# KiCad board 1x4.kicad_pcb
title: Macro Keyboard 1x4; date: 2025-01-22; rev: 0.2
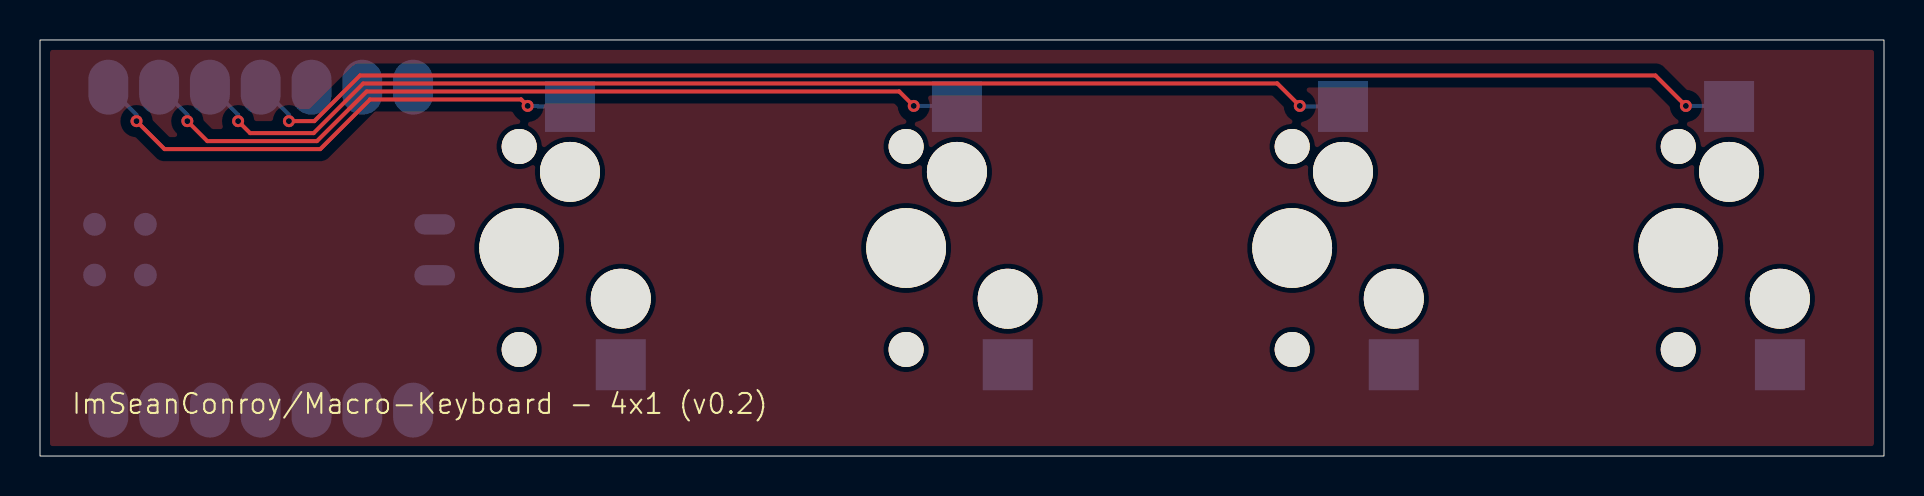
[diagram p0: board, top side]
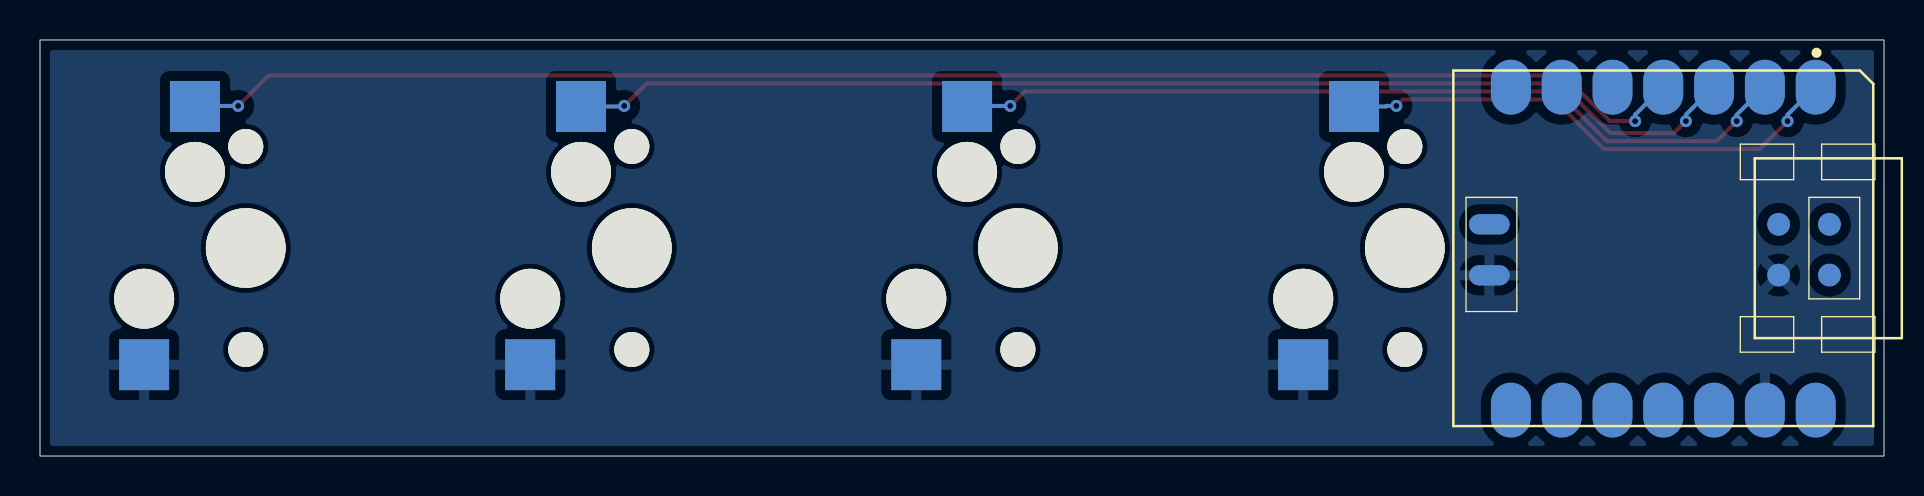
[diagram p1: board, bottom side, seen from below]

Outline 92.2 x 20.83 mm; copper layers: Top, Bottom. Coordinates in mm from the lower left corner of the outline.
Outline path: rectangle 0,20.83 92.2,0
Stack: Top 0.035mm / dielectric 1.51mm FR4 er 4.5 / Bottom 0.035mm

## Placement (name value [footprint] x y rotation side)
SW1  SW_Push  [MXOnly-1U-Hotswap]  23.96 10.41 270 top  (not fitted)
SW2  SW_Push  [MXOnly-1U-Hotswap]  43.31 10.41 270 top  (not fitted)
SW3  SW_Push  [MXOnly-1U-Hotswap]  62.61 10.41 270 top  (not fitted)
SW4  SW_Push  [MXOnly-1U-Hotswap]  81.92 10.41 270 top  (not fitted)
U2  SeeeduinoXIAO  [Seeeduino XIAO-MOUDLE14P-2.54-21X17.8MM]  21.53 19.3 270 bottom

## Library data of the parts
SW1-SW4 = -: Description: Push button switch, generic, two pins

## Footprints (pads in the part's own frame, mm; a bottom-side part is the same pattern mirrored in y, then rotated)
MXOnly-1U-Hotswap
  round 1.75 hole 1.75 unplated: (-5.08,0) (5.08,0)
  round 3 hole 3 unplated: (-3.81,2.54) (2.54,5.08)
  round 3.988 hole 3.988 unplated: (0,0)
  rect 2.55x2.5 smd far side: 1(-7.085,2.54) 2(5.842,5.08)
Seeeduino XIAO-MOUDLE14P-2.54-21X17.8MM
  oval 2.748x1.999 smd: 1(0.833,18.118) 2(0.833,15.578) 3(0.833,13.038) 4(0.833,10.498) 5(0.833,7.958) 6(0.833,5.418) 7(0.833,2.878) 8(16.998,2.878) 9(16.998,5.418) 10(16.998,7.958) 11(16.998,10.498) 12(16.998,13.038) 13(16.998,15.578) 14(16.998,18.118)
  oval 1.016x2.032 smd: 15(7.7,1.8) 16(10.25,1.8)
  round 1.143 smd: 17(7.699,18.804) 18(10.239,18.804) 19(7.699,16.264) 20(10.239,16.264)

## Nets
GND: SW1.2 SW2.2 SW3.2 SW4.2 U2.13 U2.16 U2.20
sw1: SW1.1 U2.1
sw2: SW2.1 U2.2
sw3: SW3.1 U2.3
sw4: SW4.1 U2.4

Pads without a net: U2 5 6 7 8 9 10 11 12 14 15 17 18 19

## Via types
v1: diameter 0.6, hole 0.3, Top to Bottom, 8 vias

## Routing (per net, layer and track width the routed paths; a pad name or vN(x,y) marks a point on that pad's centre or on a via; arc(x,y) is an arc through that point)
sw1: length 25.7
  Top w0.2: v1(4.83,16.76) 6.23,15.36 14.01,15.36 16.5,17.85 24.06,17.85 v1(24.38,17.53)
  Bottom w0.2: v1(24.38,17.53) 24.89,17.53 24.92,17.5 SW1.1 ; v1(4.83,16.76) 4.83,17.08 3.45,18.46 U2.1
sw2: length 42.5
  Top w0.2: v1(7.37,16.76) 8.37,15.76 13.85,15.76 16.33,18.25 42.96,18.25 v1(43.69,17.53)
  Bottom w0.2: v1(7.37,16.76) 7.37,17.08 5.99,18.46 U2.2 ; v1(43.69,17.53) 45.82,17.53 45.85,17.5
sw3: length 59.3
  Top w0.2: v1(9.91,16.76) 10.51,16.16 13.68,16.16 16.17,18.65 61.87,18.65 v1(62.99,17.53)
  Bottom w0.2: 65.15,17.5 63.02,17.5 v1(62.99,17.53) ; U2.3 8.53,18.46 9.91,17.08 v1(9.91,16.76)
sw4: length 75.9
  Top w0.2: v1(82.3,17.53) 80.77,19.05 16,19.05 13.72,16.76 v1(12.45,16.76)
  Bottom w0.2: SW4.1 84.43,17.53 v1(82.3,17.53) ; v1(12.45,16.76) 12.45,17.08 11.07,18.46 U2.4

## Copper pours and planes (outline as drawn; the poured copper is in the pictures)
GND on Top, Bottom: 98.81,26.92 98.81,-7.37 -7.87,-7.37 -7.87,26.92

## Text on the board
F.Silkscreen: ImSeanConroy/Macro-Keyboard - 4x1 (v0.2)
